# Altium PCB POWER_SUPPLY_20V_4A.PcbDoc
Units mm, origin at the board's own origin, x right, y up, seen from the top; angles counter-clockwise.
Board outline 150 x 60 mm, 2 copper layers (Top Layer, Bottom Layer), stack 1.071 mm thick; 113 components, 51 nets, 261 pads, 33 vias.
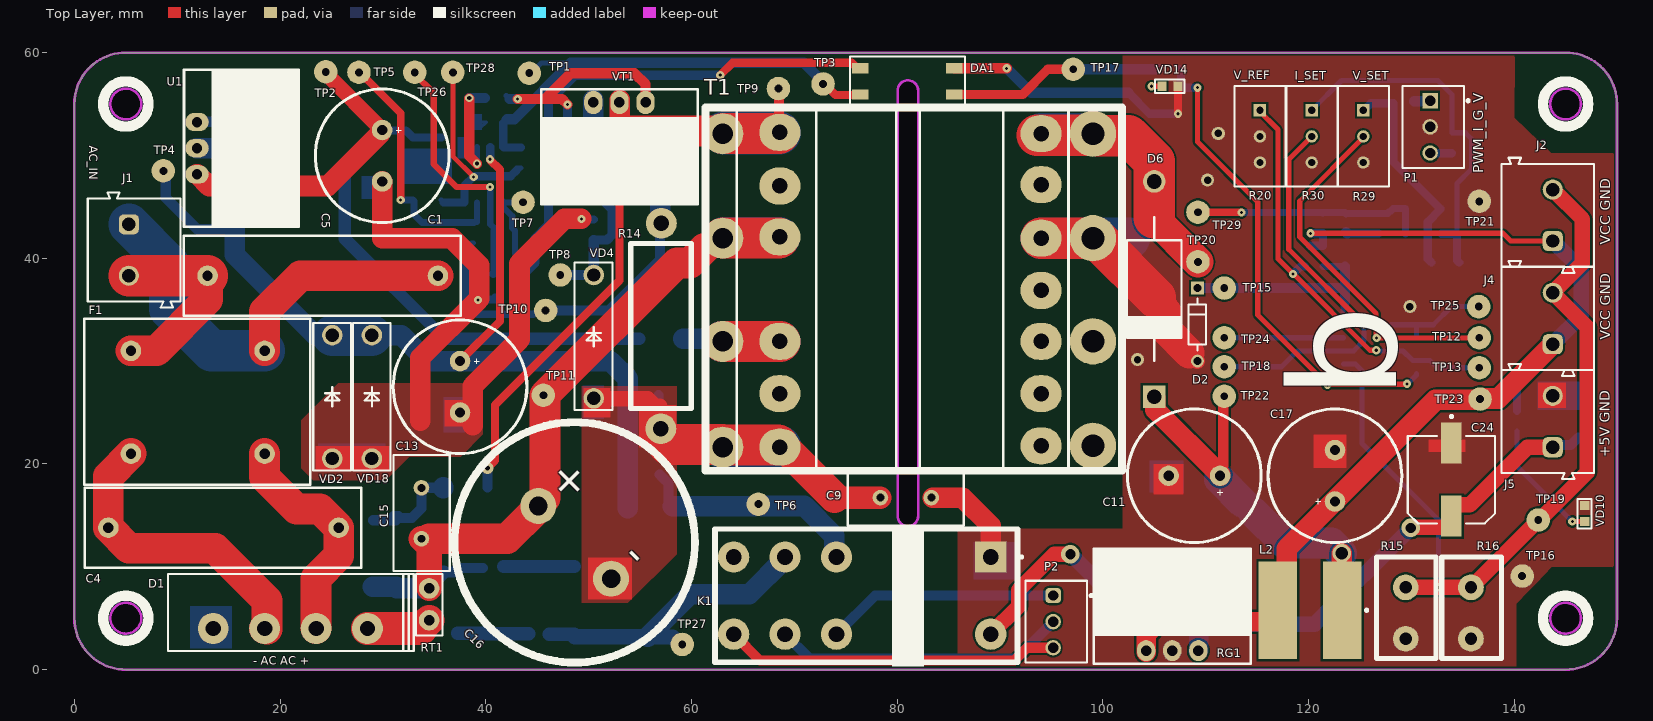
[diagram p0: Top Layer view]
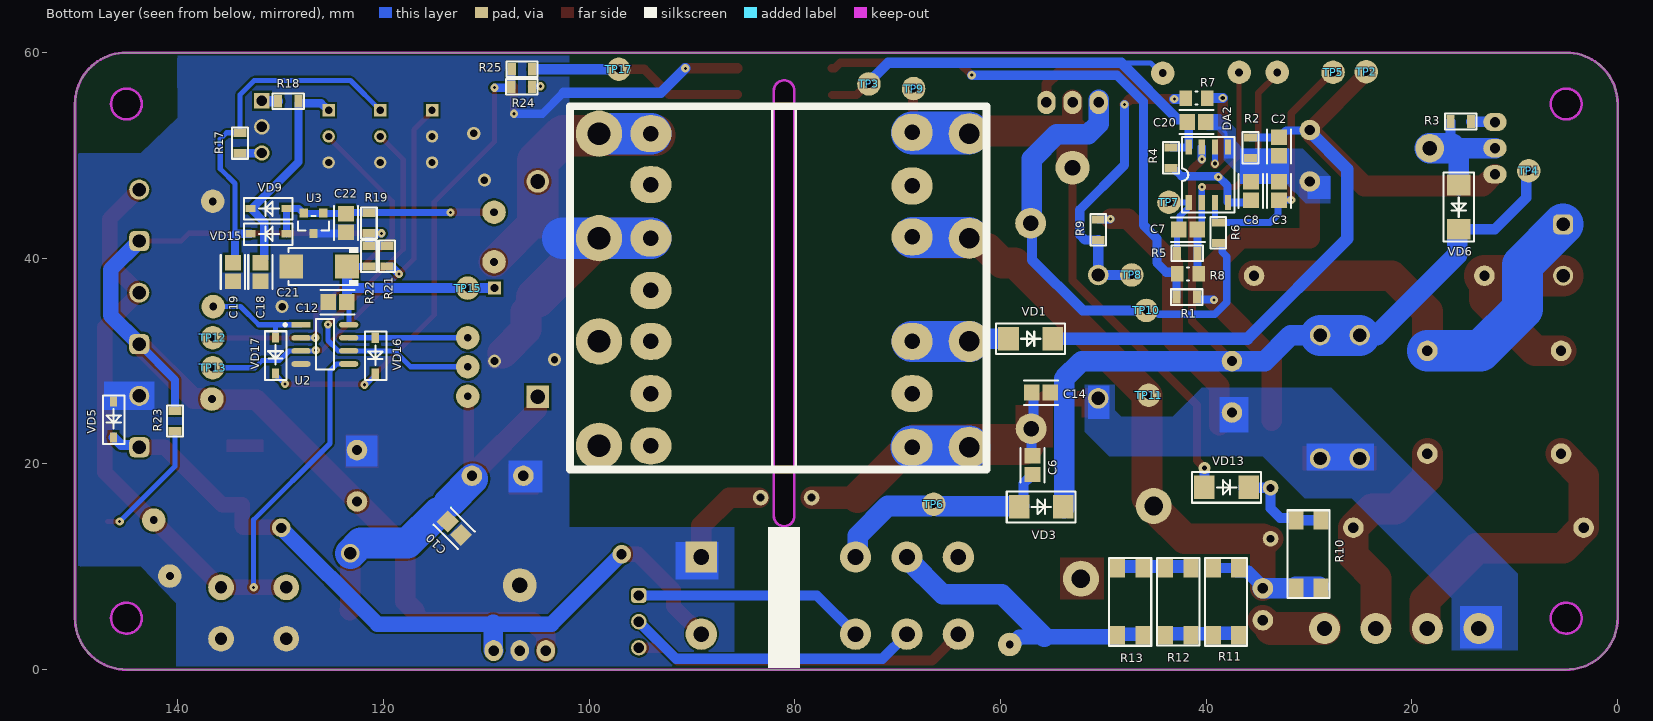
[diagram p1: Bottom Layer view, seen from below]
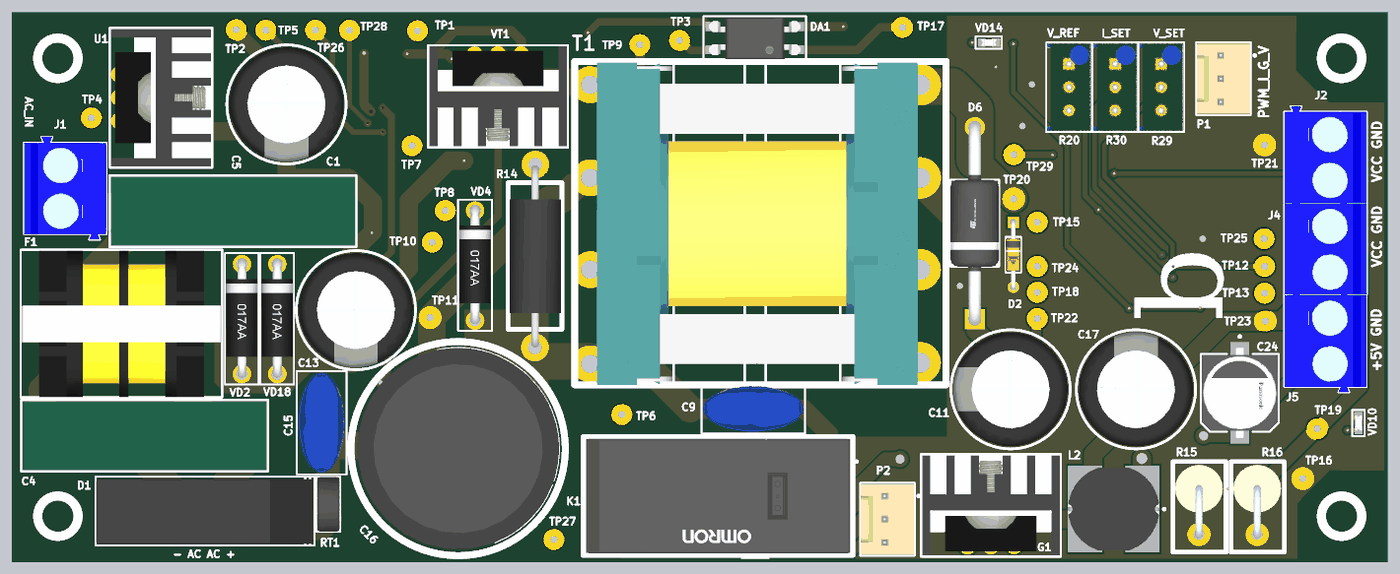
[diagram p2: 3D render of the assembled board from above, using the file's embedded part models]
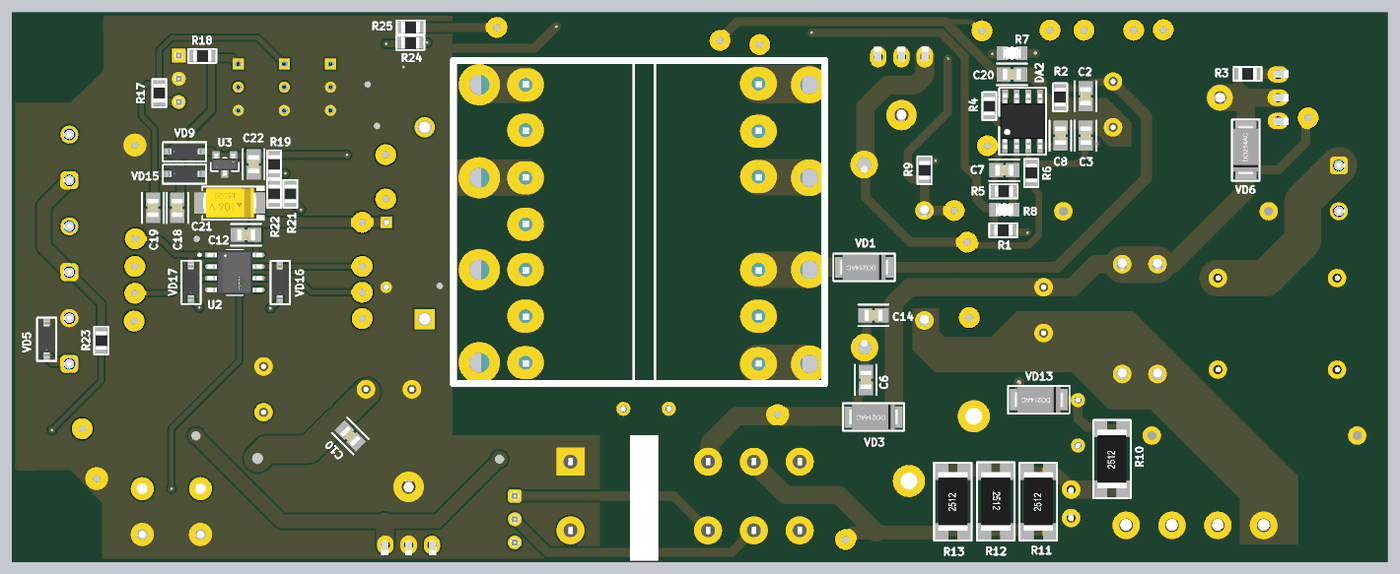
[diagram p3: 3D render of the assembled board from below, using the file's embedded part models]

## Layer stack, top to bottom
Top Solder: solder mask 0.0102, Solder Resist, Dk 3.5
Top Layer: signal copper 0.0356
Dielectric 1: dielectric 1, FR-4, Dk 4.8
Bottom Layer: signal copper 0.0356
Bottom Solder: solder mask 0.0102, Solder Resist, Dk 3.5

## Board outline
0,5 ccw(c5,5) 5,0 145,0 ccw(c145,5) 150,5 150,55 ccw(c145,55) 145,60 5,60 ccw(c5,55) 0,55
cut-out: 143.5,55 ccw(c145,55) 145,53.5 ccw(c145,55) 146.5,55 ccw(c145,55) 145,56.5 ccw(c145,55)
cut-out: 143.5,5 ccw(c145,5) 145,3.5 ccw(c145,5) 146.5,5 ccw(c145,5) 145,6.5 ccw(c145,5)
cut-out: 80.045,14.95 ccw(c81.045,14.95) 82.045,14.95 82.045,17.95 82.045,56.3 ccw(c81.045,56.3) 80.045,56.3 80.045,17.95 80.045,18.036
cut-out: 3.5,55 ccw(c5,55) 5,53.5 ccw(c5,55) 6.5,55 ccw(c5,55) 5,56.5 ccw(c5,55)
cut-out: 3.5,5 ccw(c5,5) 5,3.5 ccw(c5,5) 6.5,5 ccw(c5,5) 5,6.5 ccw(c5,5)

## Design rules (kind name [scope] priority, off if disabled: settings)
Clearance Clearance_1 [All vs InNet('GND_1')] p1: gap=0.2 ignorepadtopadclearanceinfootprint=FALSE
Clearance [All vs InNet('GND')] p2: gap=0.4 ignorepadtopadclearanceinfootprint=FALSE except(0.2: Arc-Hole SMDPad-SMDPad SMDPad-THPad SMDPad-Via SMDPad-Fill SMDPad-Poly SMDPad-Region SMDPad-Text SMDPad-Hole THPad-THPad THPad-Via THPad-Fill THPad-Poly THPad-Region THPad-Text THPad-Hole Text-Text Text-Hole)
ComponentClearance [All] p1: gap=-3 collisioncheckmode=3 verticalgap=0.254 showdistances=FALSE
DiffPairsRouting [All] p1: maxlimit=0.254 minlimit=0.254 mostfreqgap=0.254 substack1={A23D90DD-733B-49C5-8102-56B3D284E3A0} toplayer_{a23d90dd-733b-49c5-8102-56b3d284e3a0}_minwidth=0.381 toplayer_{a23d90dd-733b-49c5-8102-56b3d284e3a0}_maxwidth=0.381 toplayer_{a23d90dd-733b-49c5-8102-56b3d284e3a0}_prefwidth=0.381 bottomlayer_{a23d90dd-733b-49c5-8102-56b3d284e3a0}_minwidth=0.381 bottomlayer_{a23d90dd-733b-49c5-8102-56b3d284e3a0}_maxwidth=0.381 bottomlayer_{a23d90dd-733b-49c5-8102-56b3d284e3a0}_prefwidth=0.381 toplayer_minwidth=0.381 toplayer_maxwidth=0.381 toplayer_prefwidth=0.381 bottomlayer_minwidth=0.381 bottomlayer_maxwidth=0.381 bottomlayer_prefwidth=0.381 substack2={0B3DB408-A969-412D-8C07-BA8AE97219D9} toplayer_{0b3db408-a969-412d-8c07-ba8ae97219d9}_minwidth=0.381 toplayer_{0b3db408-a969-412d-8c07-ba8ae97219d9}_maxwidth=0.381 toplayer_{0b3db408-a969-412d-8c07-ba8ae97219d9}_prefwidth=0.381 bottomlayer_{0b3db408-a969-412d-8c07-ba8ae97219d9}_minwidth=0.381 bottomlayer_{0b3db408-a969-412d-8c07-ba8ae97219d9}_maxwidth=0.381 bottomlayer_{0b3db408-a969-412d-8c07-ba8ae97219d9}_prefwidth=0.381 substack3={378827E6-B38F-4565-9D2F-710D8D441C30} toplayer_{378827e6-b38f-4565-9d2f-710d8d441c30}_minwidth=0.381 toplayer_{378827e6-b38f-4565-9d2f-710d8d441c30}_maxwidth=0.381 toplayer_{378827e6-b38f-4565-9d2f-710d8d441c30}_prefwidth=0.381 bottomlayer_{378827e6-b38f-4565-9d2f-710d8d441c30}_minwidth=0.381 bottomlayer_{378827e6-b38f-4565-9d2f-710d8d441c30}_maxwidth=0.381 bottomlayer_{378827e6-b38f-4565-9d2f-710d8d441c30}_prefwidth=0.381 substack4={1E65D4A7-266F-4925-B814-5E9C4A66F8EE} toplayer_{1e65d4a7-266f-4925-b814-5e9c4a66f8ee}_minwidth=0.381 toplayer_{1e65d4a7-266f-4925-b814-5e9c4a66f8ee}_maxwidth=0.381 toplayer_{1e65d4a7-266f-4925-b814-5e9c4a66f8ee}_prefwidth=0.381 bottomlayer_{1e65d4a7-266f-4925-b814-5e9c4a66f8ee}_minwidth=0.381 bottomlayer_{1e65d4a7-266f-4925-b814-5e9c4a66f8ee}_maxwidth=0.381 bottomlayer_{1e65d4a7-266f-4925-b814-5e9c4a66f8ee}_prefwidth=0.381 substack5={93C5D03E-862D-45F8-9871-970EEA9B3F11} toplayer_{93c5d03e-862d-45f8-9871-970eea9b3f11}_minwidth=0.381 toplayer_{93c5d03e-862d-45f8-9871-970eea9b3f11}_maxwidth=0.381 toplayer_{93c5d03e-862d-45f8-9871-970eea9b3f11}_prefwidth=0.381 bottomlayer_{93c5d03e-862d-45f8-9871-970eea9b3f11}_minwidth=0.381 bottomlayer_{93c5d03e-862d-45f8-9871-970eea9b3f11}_maxwidth=0.381 bottomlayer_{93c5d03e-862d-45f8-9871-970eea9b3f11}_prefwidth=0.381 maxuncoupledlength=12.7
Height [All] p1: minheight=0 maxheight=40 prefheight=12.7
HoleSize [All] p1: absolutevalues=TRUE maxlimit=6 minlimit=0.01 maxpercent=80.000 minpercent=20.000
HoleToHoleClearance [All] p1: gap=0.1 allowstackedmicrovias=TRUE
MinimumSolderMaskSliver [All] p1: minsoldermaskwidth=0.1
PlaneClearance [All] p1: clearance=0.7
PlaneConnect [All] p1: planeconnectstyle=Direct reliefexpansion=0.5 reliefentries=4 reliefconductorwidth=0.5 reliefairgap=0.15
PolygonConnect VQFN20 [HasFootprint('VQFN20')] p1: connectstyle=Direct reliefconductorwidth=0.254 reliefentries=4 polygonreliefangle="90 Angle" airgapwidth=0.254
PolygonConnect [All] p2: connectstyle=Direct reliefconductorwidth=0.3 reliefentries=4 polygonreliefangle="90 Angle" airgapwidth=0.15
RoutingVias [All] p1: holewidth=0.1 width=0.1 viastyle="Through Hole" minholewidth=0 minwidth=0.3 maxholewidth=2 maxwidth=4
ShortCircuit [All] p1: allowed=TRUE
SilkToSolderMaskClearance [IsPad] p1: minsilkscreentomaskgap=0.1 clearancetoexposedcopper=TRUE
SolderMaskExpansion SolderMaskExpansion_Via [IsVia] p1: expansion=0.102 istentingtop=TRUE
SolderMaskExpansion [All] p2: expansion=0.01 istentingtop=FALSE
UnRoutedNet [All] p1: checkbadconnections=TRUE
Width [All] p1: maxlimit=5 minlimit=0.2 preferedwidth=0.3 substack1={A23D90DD-733B-49C5-8102-56B3D284E3A0} substack2={0B3DB408-A969-412D-8C07-BA8AE97219D9} substack3={378827E6-B38F-4565-9D2F-710D8D441C30} substack4={1E65D4A7-266F-4925-B814-5E9C4A66F8EE} substack5={93C5D03E-862D-45F8-9871-970EEA9B3F11}
19 further rules are at their usual default settings.

## Components (designator, comment, footprint, x,y, rotation, side; value= is the part's Value field where it differs from the comment)
C1 "CAP-NON-POLAR" CAP-V15 24.152,38.3 r180 top locked
C2 "50V 1uF" FP-C0805C-DN-IPC_A 32.929,50.85 r270 bottom value="0.22 μF"
C3 "16V 470pF" FP-C0805C-DN-IPC_A 32.918,46.551 r90 bottom value="0.22 μF"
C4 "CAP-NON-POLAR" CAP-V15 14.5,13.8 r180 top locked
C5 "1000uF_50V" CAPPOL-12x25 29.928,49.967 r270 top locked
C6 "50V 1uF" FP-C0805C-DN-IPC_A 56.9,19.875 r90 bottom value="0.22 μF"
C7 "50V 10nF" FP-C0805C-DN-IPC_A 41.775,42.774 r0 bottom value="0.22 μF"
C8 "50V 2.2nF" FP-C0805C-DN-IPC_A 35.668,46.551 r90 bottom value="0.22 μF"
C9 "CAP-V" CAP-V 80.851,16.725 r0 top
C10 "50V 1uF" FP-C0805C-DN-IPC_A 113.116,13.75 r225 bottom value="0.22 μF"
C11 "1000uF_50V" CAPPOL-12x25 108.901,18.85 r180 top
C12 "50V 1uF" FP-C0805C-DN-IPC_A 124.48,35.725 r0 bottom value="0.22 μF"
C13 "CAP-POLAR" CAPPOL-12x25 37.5,27.5 r270 top locked
C14 "50V 1uF" FP-C0805C-DN-IPC_A 56.05,26.925 r0 bottom value="0.22 μF"
C15 "CAP-V" CAP-V 33.75,15.2 r270 top
C16 "CAP-POLAR" "CAP 100uF_500V 22x40mm" 48.65,12.375 r315 top locked
C17 "2200uF_25V" CAPPOL-12x25 122.575,18.85 r90 top
C18 "50V 1uF" FP-C0805C-DN-IPC_A 131.972,38.675 r270 bottom value="0.22 μF"
C19 "50V 1uF" FP-C0805C-DN-IPC_A 134.647,38.675 r270 bottom value="0.22 μF"
C20 "50V 0.1uF" FP-C0805C-DN-IPC_A 40.949,53.249 r180 bottom value="0.22 μF"
C21 "CAP-POLAR" CAP-TAN-C 126.255,39.2 r0 bottom locked
C22 "50V 1uF" FP-C0805C-DN-IPC_A 123.655,43.425 r90 bottom value="0.22 μF"
C24 "EEE-1HA101UP" FP-SF-MFG 133.9,18.471 r270 top value=100uF
D1 "RS40X" RS40X 21,5.5 r0 top
D2 "5,6V" FP-SB-V-3906_04-031_4-MFG 109.2,33.55 r270 top
D6 "SR5100" SR5100(DO-201AD 105,37 r90 top locked
DA1 "PC817" 4-SMD 81,57.2 r180 top locked
DA2 "UC3842B" SOIC8-150 39.8,48.12 r90 bottom locked
F1 "FILTER" FILTER_1 12,26 r0 top
J1 "691101710002" 691101710002 5.8,40.8 r270 top locked
J2 "" 691101710002 143.251,44.175 r90 top locked
J4 "691101710002" 691101710002 143.251,34.15 r90 top locked
J5 "691101710002" 691101710002 143.25,24.125 r90 top
K1 "F1CA005V" Relay_F1CA005V_Omron 77,7.2 r180 top locked
L2 "1.2µH, 7.4A" WE-PD2_1054 120.15,5.775 r180 top
P1 "61900311121" 61900311121#1 132.125,52.775 r90 top
P2 "61900311121" 61900311121#2 95.475,4.665 r90 top locked
R1 "1k" RES-0805 41.9,36.224 r180 bottom
R2 "100k" RES-0805 35.7,50.749 r90 bottom
R3 "5 Ohm" RES-0805 15.25,53.3 r0 bottom
R4 "10K" RES-0805 43.424,49.774 r90 bottom
R5 "100K" RES-0805 41.85,40.474 r180 bottom
R6 "1K" RES-0805 38.825,42.474 r270 bottom
R7 "22" Vishay_CRCW0805-e3_IPC_A 40.949,55.575 r0 bottom
R8 "3,9K" Vishay_CRCW0805-e3_IPC_A 41.775,38.474 r0 bottom
R9 "10K" RES-0805 50.5,42.774 r90 bottom
R10 "75K" RES-2512 30.05,11.25 r90 bottom
R11 "3K" RES-2512 38.075,6.6 r90 bottom locked
R12 "3K" RES-2512 42.725,6.6 r270 bottom locked
R13 "3K" RES-2512 47.4,6.6 r90 bottom locked
R14 "1.1 Ohm" RES-2W 57.05,33.3 r90 top locked
R15 "1.1 Ohm***" RES-2W_2 129.45,8 r90 top locked
R16 "1.1 Ohm***" RES-2W_2 135.8,8 r90 top locked
R17 "1K" RES-0805 133.95,51.2 r90 bottom
R18 "1k" RES-0805 129.255,55.265 r180 bottom
R19 "1k" RES-0805 121.419,43.425 r270 bottom
R20 "3296W-1-202LF" Bourns_3296W_MFG 115.28,51.85 r180 top
R21 "1k" RES-0805 119.655,40.2 r90 bottom locked
R22 "1k" RES-0805 121.419,40.2 r90 bottom
R23 "2.7K" RES-0805 140.275,24.175 r90 bottom
R24 "1K" RES-0805 106.568,56.677 r0 bottom
R25 "1K" RES-0805 106.534,58.372 r180 bottom
R29 "3296W-1-202LF" Bourns_3296W_MFG 125.335,51.85 r180 top
R30 "3296W-1-202LF" Bourns_3296W_MFG 120.32,51.85 r180 top locked
RG1 "LM7805CT" TO-220_Bended_Rad#1 107.258,4.898 r0 top
RT1 "RES-TEMP" RES-V5 34.5,6.3 r270 top locked
T1 "ETD29" ETD29_Transformer 81.045,36.237 r0 top
TP1 "Test_Point_PCB" Test_Point 44.225,58 r0 top
TP2 "Test_Point_PCB" Test_Point 24.45,58.125 r180 bottom
TP3 "Test_Point_PCB" Test_Point 72.8,56.95 r180 bottom
TP4 "Test_Point_PCB" Test_Point 8.65,48.5 r180 bottom
TP5 "Test_Point_PCB" Test_Point 27.675,58.075 r180 bottom
TP6 "Test_Point_PCB" Test_Point 66.506,16.092 r180 bottom
TP7 "Test_Point_PCB" Test_Point 43.625,45.451 r180 bottom
TP8 "Test_Point_PCB" Test_Point 47.25,38.375 r180 bottom
TP9 "Test_Point_PCB" Test_Point 68.458,56.5 r180 bottom
TP10 "Test_Point_PCB" Test_Point 45.825,34.925 r90 bottom
TP11 "Test_Point_PCB" Test_Point 45.6,26.681 r90 bottom
TP12 "Test_Point_PCB" Test_Point 136.603,32.275 r90 bottom
TP13 "Test_Point_PCB" Test_Point 136.603,29.349 r90 bottom
TP15 "Test_Point_PCB" Test_Point 111.814,37.1 r90 bottom
TP16 "Test_Point_PCB" Test_Point 140.775,9.1 r90 top
TP17 "Test_Point_PCB" Test_Point 97.125,58.375 r90 bottom
TP18 "Test_Point_PCB" Test_Point 111.814,29.448 r90 top
TP19 "Test_Point_PCB" Test_Point 142.346,14.546 r90 top
TP20 "Test_Point_PCB" Test_Point 109.25,39.65 r90 top
TP21 "Test_Point_PCB" Test_Point 136.603,45.532 r90 top
TP22 "Test_Point_PCB" Test_Point 111.814,26.575 r270 top
TP23 "Test_Point_PCB" Test_Point 136.684,26.306 r90 top
TP24 "Test_Point_PCB" Test_Point 111.814,32.275 r90 top
TP25 "Test_Point_PCB" Test_Point 136.55,35.299 r90 top
TP26 "Test_Point_PCB" Test_Point 33.1,58.075 r90 top
TP27 "Test_Point_PCB" Test_Point 59.1,2.45 r90 top
TP28 "Test_Point_PCB" Test_Point 36.8,58.075 r90 top
TP29 "Test_Point_PCB" Test_Point 109.25,44.475 r90 top
U1 "LM317TG" TO-220_Bended_Rad#2 14.973,50.193 r270 top locked
U2 "LM358DR2G" FP-751-07-IPC_C 125.705,31.625 r180 bottom
U3 "TL431" TL431_SOT-23-3(MGF) 126.805,43.4 r270 bottom
VD1 "DIODE" "DO-214AC, SMA" 57.075,32.175 r0 bottom
VD2 "ZENER" DO-017AA 25.077,26.525 r270 top
VD3 "DIODE" "DO-214AC, SMA" 56.05,15.825 r0 bottom
VD4 "ZENER 15V" DO-017AA 50.5,32.375 r270 top locked
VD5 "DIODE" SOD-123 146.247,24.325 r90 bottom
VD6 "DIODE" "DO-214AC, SMA" 15.45,44.975 r90 bottom
VD9 "DIODE" SOD-123 131.18,44.825 r180 bottom
VD10 "LED" LED-0603 146.849,15.175 r270 top
VD13 "DIODE" "DO-214AC, SMA" 38.025,17.725 r0 bottom
VD14 "LED" LED-0603 106.534,56.727 r180 top
VD15 "DIODE" SOD-123 131.18,42.375 r180 bottom
VD16 "DIODE" SOD-123 120.794,30.525 r90 bottom
VD17 "DIODE" SOD-123 130.5,30.55 r90 bottom
VD18 "ZENER" DO-017AA 28.928,26.525 r270 top
VT1 "MOSFET-N-GDS" TO-220_Bended_Rad#3 52.492,52.102 r180 top locked

## Footprints (in the part's own frame and the unit in brackets; to place one, negate y for a bottom-side part, rotate by r counter-clockwise, add the part's x,y. Pads: shape width x height; smd on the part's side, far side on the other; paste and mask are expansions set on the pad)
4-SMD [mm]
  rect 1.6x1 smd: 1(-4.575,1.27) 2(-4.575,-1.27) 3(4.575,-1.27) 4(4.575,1.27)
  silkscreen extent -5.6,-2.4 5.6,2.4, body extent -5,-2.29 5,2.29, height 3.85
61900311121#1 [mm] "2.54mm Male Locking Header, 3p"
  rect 1.5x1.5 hole 1: 1(2.54,0.3)
  round 1.5 hole 1: 2(0,0.3) 3(-2.54,0.3)
  silkscreen extent -3.98,-3.52 3.98,2.98, body extent -3.81,-2.9 3.81,2.9, height 11.53
61900311121#2 [mm] "2.54mm Male Locking Header, 3p"
  rrect50% 1.5x1.5 hole 1: 1(2.54,0.3)
  round 1.5 hole 1: 2(0,0.3) 3(-2.54,0.3)
  silkscreen extent -3.98,-3.52 3.98,2.98, body extent -3.81,-2.9 3.81,2.9, height 11.53
691101710002 [mm] "5,00mm - modular - blue - Horizontal entry with pressure clamp - 12,6mm height - 02p"
  rrect50% 1.95x1.95 hole 1.3: 1(-2.5,-0.5)
  round 1.95 hole 1.3: 2(2.5,-0.5)
  silkscreen extent -5.6,-4.5 5.6,4.5, body extent -5.6,-4.5 5.6,4.5, height 12.65
Bourns_3296W_MFG [mm]
  rect 1.2x1.2 hole 0.7 paste-1000 mask+0: 1(0.005,-2.54)
  round 1.2 hole 0.7 paste-1000 mask+0: 2(0.005,0) 3(0.005,2.54)
  silkscreen extent -2.48,-4.89 2.48,4.89, body extent -2.58,-4.99 2.58,4.99, height 0.25
"CAP 100uF_500V 22x40mm" [mm]
  round 3.5 hole 1.8: 1(-5,0) 2(5,0)
  silkscreen extent -11.68,-11.68 11.68,11.68, body extent -11,-11 11.1,11.1, height 31.53
CAP-TAN-C [mm]
  rect 2.3x2.3 smd: 1(-2.7,0) 2(2.7,0)
  silkscreen extent -3.8,-1.9 3,1.9, body extent -2.9,-1.6 2.9,1.6, height 2.6
CAP-V [mil]
  round 60 hole 30: 1(-97.44,0) 2(97.44,0)
  silkscreen extent -222,-106 221,108, body extent -216,-98 216,98, height 610
CAP-V15 [mm]
  round 2 hole 1: 1(-11.2,0) 2(11.2,0)
  silkscreen extent -13.4,-3.9 13.5,3.9, body extent -13.2,-3.72 13.3,3.7, height 17
CAPPOL-12x25 [mm]
  round 2 hole 1: 1(-2.5,0) 2(2.5,0)
  silkscreen extent -6.5,-6.5 6.5,6.5, body extent -6.25,-6.25 6.25,6.25, height 25
DO-017AA [mm]
  round 2 hole 1.3: 1(-6,0) 2(6,0)
  silkscreen extent -7.2,-1.85 7.15,1.83, body extent -6.63,-1.7 6.37,1.7, height 3.4
"DO-214AC, SMA" [mm]
  rect 2x2.3 smd: 1(-2.15,0) 2(2.15,0)
  silkscreen extent -3.35,-1.5 3.35,1.5, body extent -2.74,-1.4 2.74,1.4, height 2.24
ETD29_Transformer [mm]
  round 4 hole 2: 1(-18,15.875) 3(-18,5.715) 4(-18,-4.318) 6(-18,-14.605)
  oval 4x3.6 hole 1.5: 1(-12.446,16.002) 2(-12.446,10.795) 3(-12.446,5.842) 4(-12.446,-4.318) 5(-12.446,-9.398) 6(-12.446,-14.605) 7(12.954,-14.478) 8(12.954,-9.398) 9(12.954,-4.318) 10(12.954,5.715) 11(12.954,0.635) 12(12.954,15.875) 13(12.954,10.922)
  round 4.5 hole 2.2: 7(18,-14.478) 9(18,-4.318) 10(18,5.715) 12(18,15.875)
  Top Layer lines w0.254: -12.446,-14.605 -12.319,-14.478
  silkscreen extent -19.68,-16.89 20.83,18.41, body extent -17.27,-16.91 17.73,18.29, height 24.81
FILTER_1 [mm]
  round 2 hole 1: 1(-6.5,5) 2(6.5,5) 3(6.5,-5) 4(-6.5,-5)
  silkscreen extent -11.05,-8.03 10.92,8.1, body extent -10.95,-8 10.85,8, height 24.48
FP-751-07-IPC_C [mm]
  rect 1.874x0.543 smd paste+0 mask+0: 1(-2.316,1.905)
  rrect100% 1.874x0.543 smd paste+0 mask+0: 2(-2.316,0.635) 3(-2.316,-0.635) 4(-2.316,-1.905) 5(2.316,-1.905) 6(2.316,-0.635) 7(2.316,0.635) 8(2.316,1.905)
  silkscreen extent -3.98,-2.45 0.88,2.45, body extent -3,-2.45 3,2.45, height 1.75
FP-C0805C-DN-IPC_A [mm]
  rect 1.505x1.556 smd paste+0 mask+0: 1(-0.901,0) 2(0.901,0)
  silkscreen extent -1.65,-1.18 1.65,1.18, body extent -1,-0.63 1,0.63, height 0.88
FP-SB-V-3906_04-031_4-MFG [mm]
  rect 1.25x1.25 hole 0.75 paste-1000 mask+0: 1(-3.55,0)
  round 1.25 hole 0.75 paste-1000 mask+0: 2(3.55,0)
  silkscreen extent -2.52,-0.85 2.52,0.85, body extent -4.28,-0.95 4.28,0.95, height 0.25
FP-SF-MFG [mm]
  rect 4x2 smd paste+0 mask+0: 1(-3.55,0) 2(3.55,0)
  silkscreen extent -6.27,-4.25 4.25,4.25, body extent -5.8,-4.5 5.8,4.5, height 0.25
LED-0603 [mm]
  rect 0.85x0.9 smd: 1(-0.775,0) 2(0.775,0)
  silkscreen extent -1.43,-0.67 1.45,0.67, body extent -0.83,-0.36 0.82,0.36, height 0.68
Relay_F1CA005V_Omron [mil]
  rect 120x120 hole 60 paste-39370.1 mask+0: 1(-476.38,-147.64)
  round 120 hole 60 paste-39370.1 mask+0: 2(114.17,-147.64) 3(311.02,-147.64) 4(507.87,-147.64) 5(507.87,147.64) 6(311.02,147.64) 7(114.17,147.64) 8(-476.38,147.64)
  silkscreen extent -599,-255 580,255, body extent -575,-254 575,254, height 10
RES-2W [mm]
  round 3 hole 1.5: 1(-9.875,0.025) 2(10.1,-0.025)
  silkscreen extent -7.9,-2.93 8.13,2.95, body extent -9.86,-2.79 10.01,2.79, height 5.59
RES-2W_2 [mm]
  round 2.5 hole 1.2: 1(-5,0) 2(0,0)
  silkscreen extent -6.93,-2.95 2.95,2.85, body extent -5.4,-2.6 2.6,2.6, height 21.6
RES-0805 [mm]
  rect 0.8x1.25 smd mask+0.015: 1(-1,0) 2(1,0)
  silkscreen extent -1.52,-0.76 1.52,0.76, body extent -1,-0.62 1,0.63, height 0.6
RES-2512 [mm]
  rect 1.8x1.45 smd: 1(-3.275,-1.225) 1(-3.275,1.225) 2(3.275,-1.225) 2(3.275,1.225)
  silkscreen extent -4.28,-2.05 4.25,2.05, body extent -3.2,-1.6 3.2,1.6, height 0.6
RES-V5 [mm]
  round 2 hole 1: 1(-1.6,0) 2(1.5,0)
  silkscreen extent -3,-1.3 3,1.3, body extent -3,-1.25 3,1.25, height 14
RS40X [mm]
  round 3 hole 1.5: 1(-7.5,-1.5) 2(-2.5,-1.5) 3(2.5,-1.5) 4(7.5,-1.5)
  silkscreen extent -11.9,-3.7 12,3.8, body extent -11.81,-3.55 11.81,3.55, height 19.76
SOD-123 [mm]
  rect 1x0.7 smd: 1(-1.75,0) 2(1.75,0)
  silkscreen extent -2.37,-1.08 2.35,1.02, body extent -1.98,-0.85 1.98,0.85, height 1.45
SOIC8-150 [mm]
  rect 1.5x0.6 smd: 1(-2.7,1.905) 2(-2.7,0.635) 3(-2.7,-0.635) 4(-2.7,-1.905) 5(2.7,-1.905) 6(2.7,-0.635) 7(2.7,0.635) 8(2.7,1.905)
  silkscreen extent -3.65,-2.55 3.65,2.55, body extent -3,-2.45 3,2.45, height 1.75
SR5100(DO-201AD [mm]
  rect 2.2x2.2 hole 1.45 paste-1000 mask+0: 1(-10.47,0)
  round 2.2 hole 1.45 paste-1000 mask+0: 2(10.47,0)
  silkscreen extent -7,-2.67 7,2.67, body extent -11.67,-2.75 11.67,2.75, height 0.25
Test_Point [mil]
  round 90 hole 30 paste+4 mask+4: 1(0,0)
TL431_SOT-23-3(MGF) [mm]
  rect 0.9x0.8 smd paste+0 mask+0: 1(-1,0.95) 2(-1,-0.95) 3(1,0)
  silkscreen extent -0.7,-1.5 0.7,1.5, body extent -1.2,-1.45 1.2,1.45, height 1.1
TO-220_Bended_Rad#1 [mil]
  oval 70x80 hole 40: 1(-120,-120) 2(-20,-120) 3(80,-120)
  round 130 hole 60: 2(-20,130)